# Altium PCB Shaheen.PcbDoc (part 3 of 4) (continued)
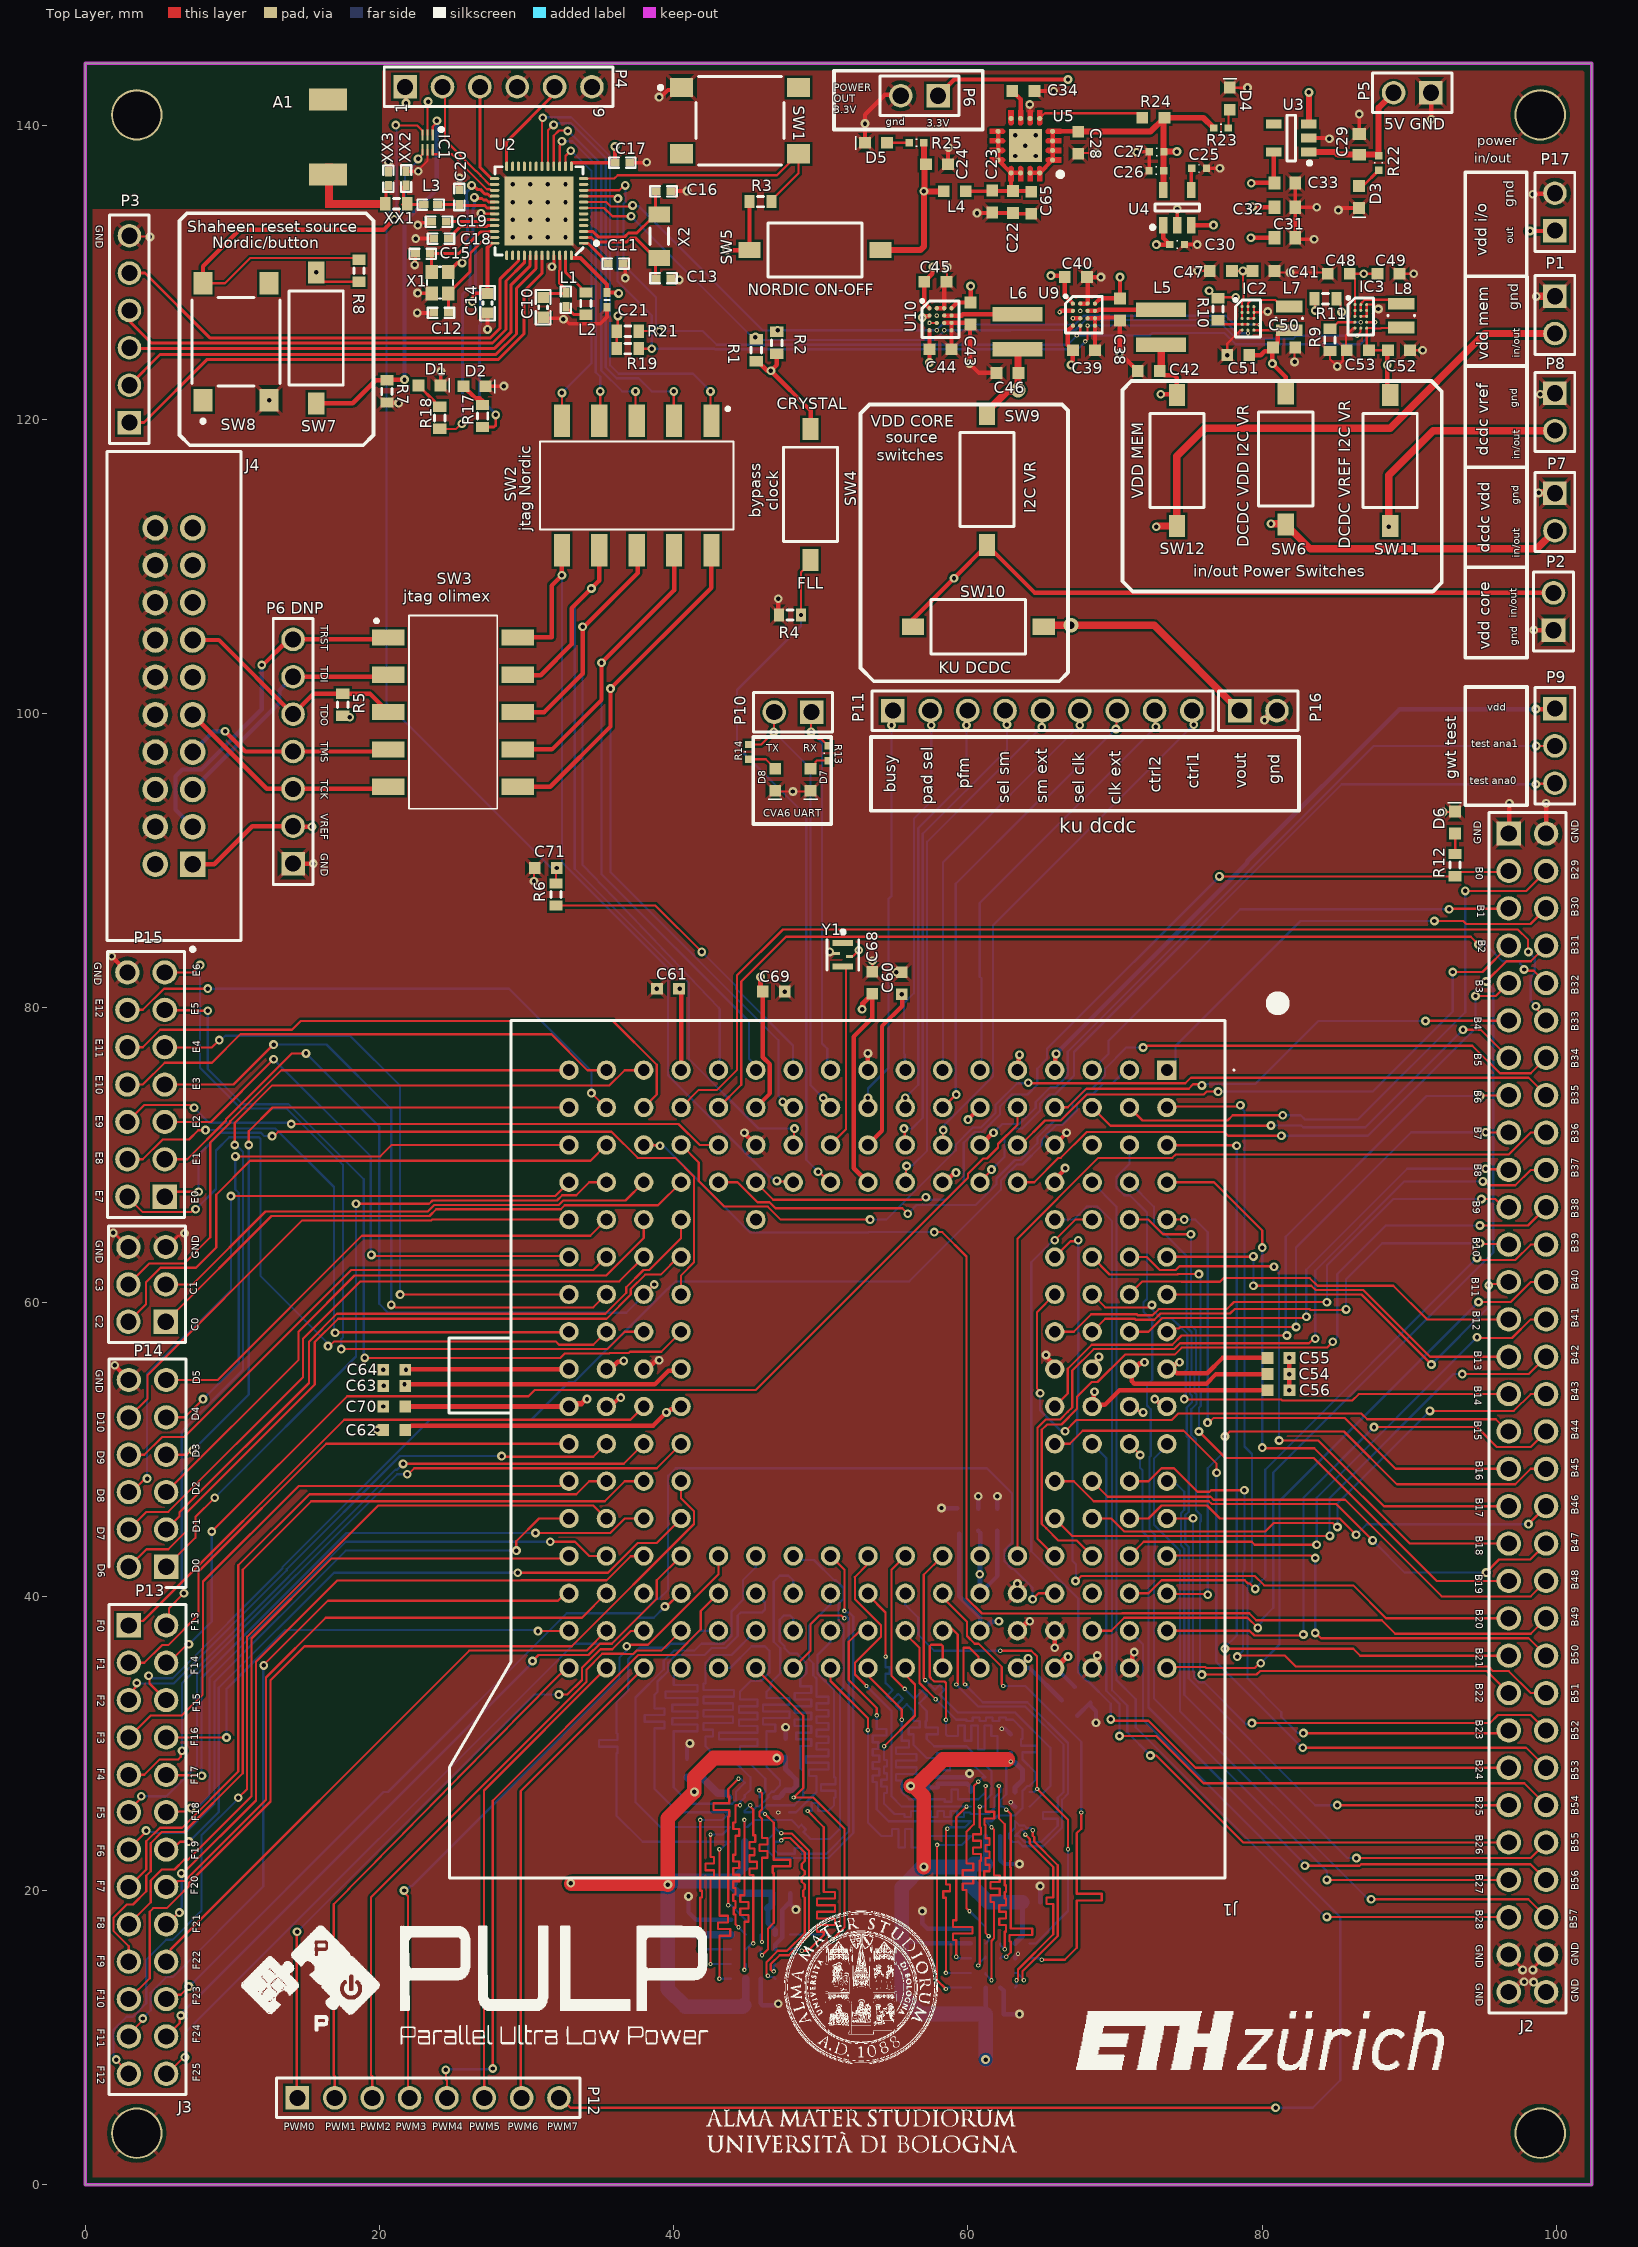
[diagram p0: Top Layer view]
## Nets (pads, with @x,y where several pads share a name; then routed paths per layer and width w, separated by ;. In a path a pad name is that pad's centre, name@x,y a point inside that pad or via, vN(x,y) a via of type N, cw(c..) or ccw(c..) an arc to the next point about the centre after c; other vN are vias at no path point) (continued)
NetSW2_4: SW2.4 U2.15 | length 22.3
  Top Layer w0.15: SW2.4@34.94,119.9 35,119.96 v1(35,121.9)
  Top Layer w0.152: U2.15@32.244,137.192 32.244,138.619 32.4,138.775 v1(32.4,138.896)
  Bottom Layer w0.15: v1(32.4,138.896) 33.107,138.896 34.7,137.303 34.7,123.2 35,122.9 v1(35,121.9)
NetSW2_5: SW2.5 U2.14 | length 21
  Top Layer w0.15: SW2.5@32.4,119.9 v1(32.4,121.8)
  Top Layer w0.152: U2.14@32.644,137.192 32.644,137.905 v1(33,138.261)
  Bottom Layer w0.15: v1(32.4,121.8) 34.4,123.8 34.4,136.896 33.035,138.261 v1(33,138.261)
P0.00/XL1: C13.1 U2.2 X2.1 | length 6.8
  Top Layer w0.203: U2.2@33.869,132.367 34.401,132.367 34.715,132.054 36.807,132.054 37.066,132.313 37.417,132.313 X2.1@38.54,131.19 ; C13.1@38.775,129.593 38.775,130.718 X2.1@39.023,130.965
P0.01/XL2: C16.1 U2.3 X2.2 | length 7
  Top Layer w0.203: U2.3@33.869,132.767 34.501,132.767 34.861,132.407 36.66,132.407 36.922,132.669 37.493,132.669 X2.2@38.515,133.69 ; C16.1@38.775,135.496 38.775,134.163 X2.2@39.023,133.915
P0.21/RESET: P4.5 U2.24 | length 6.8
  Top Layer w0.203: U2.24@28.644,137.192 28.644,138.876 31.9,142.132 P4.5@31.9,142.6
P0.25: U2.37
P0.26: U2.38
P0.27: P3.5 U2.39 | length 32.8
  Top Layer w0.203: P3.5@3,129.94 4.06,129.94 8.464,125.536 27.538,125.536 28.177,126.175 28.177,129.519 29.444,130.786 U2.39@29.444,131.142
P0.28/AIN4: P3.4 U2.40 | length 32.9
  Top Layer w0.203: P3.4@3,127.4 3,126.67 4.487,125.183 27.685,125.183 28.6,126.099 28.6,129.396 29.844,130.64 U2.40@29.844,131.142
P0.29/AIN5: P3.3 U2.41 | length 32.1
  Top Layer w0.203: P3.3@3,124.83 27.831,124.83 28.953,125.952 28.953,129.149 30.244,130.44 U2.41@30.244,131.142
P0.30/AIN6: P3.2 U2.42 | length 34.2
  Top Layer w0.203: P3.2@2.3,122.29 P3.2@2.665,122.655 ; P3.2@3,122.32 5.085,124.405 27.905,124.405 29.306,125.806 29.306,128.902 30.644,130.24 U2.42@30.644,131.142
P0.31/AIN7: P3.1 U2.43 | length 35.3
  Top Layer w0.203: P3.1@2.3,119.75 P3.1@2.409,119.859 ; P3.1@3,119.78 3.006,119.786 3.986,119.786 8.252,124.052 28.052,124.052 29.806,125.806 29.806,128.691 31.044,129.929 U2.43@31.044,131.142
PAD_GPIO_B0: J1.F4 J2.3 R12.1 | length 64
  Top Layer w0.15: J1.F4@45.58,68.14 46.763,66.957 56.848,66.957 57.016,67.125 v1(57.138,67.125) ; v1(77.092,88.929) 93.079,88.929 R12.1@93.1,88.95 93.375,89.225 96.685,89.225 J2.3@96.76,89.3
  Bottom Layer w0.15: v1(57.138,67.125) 57.26,67.125 57.428,66.957 58.497,66.957 59.713,68.172 59.713,70.822 60.454,71.563 60.988,71.563 62.167,72.742 62.167,73.276 62.994,74.103 64.045,74.103 64.71,74.768 64.71,75.862 65.375,76.526 65.375,77.212 v1(77.092,88.929)
PAD_GPIO_B1: J1.R1 J2.5 | length 33.4
  Top Layer w0.15: v1(92.7,86.7) 92.73,86.73 96.73,86.73 J2.5@96.76,86.76
  Bottom Layer w0.15: J1.R1@68.44,75.76 69.55,76.87 69.55,77.75 78.5,86.7 v1(92.7,86.7)
PAD_GPIO_B2: J1.N3 J2.7 | length 40.6
  Top Layer w0.15: J1.N3@63.36,70.68 63.58,70.68 65.237,72.337 66.308,72.337 68.074,74.103 76.02,74.103 76.217,74.3 v1(77,74.3) ; v1(92.95,82.431) 94.971,82.431 J2.7@96.76,84.22
  Bottom Layer w0.15: v1(77,74.3) 87.5,74.3 92.95,79.75 v1(92.95,82.431)
PAD_GPIO_B3: J1.N4 J2.9 | length 40.5
  Top Layer w0.15: J1.N4@63.36,68.14 64.5,68.14 66.157,69.797 66.308,69.797 68.074,71.563 77.415,71.563 77.678,71.3 v1(81.3,71.3) ; v1(94.5,80.8) 95.88,80.8 J2.9@96.76,81.68
  Bottom Layer w0.15: v1(81.3,71.3) 87.191,71.3 94.5,78.609 v1(94.5,80.8)
PAD_GPIO_B4: J1.P2 J2.11 | length 33.4
  Top Layer w0.15: J1.P2@65.9,73.22 65.916,73.236 66.783,73.236 68.047,74.5 75,74.5 75.3,74.8 75.825,74.8 v1(75.9,74.725) ; v1(91.1,79.1) 91.12,79.12 96.74,79.12 J2.11@96.76,79.14
  Bottom Layer w0.15: v1(75.9,74.725) 75.975,74.8 76.758,74.8 76.783,74.825 79.525,74.825 83.8,79.1 v1(91.1,79.1)
PAD_GPIO_B5: J1.R2 J2.13 | length 32.4
  Top Layer w0.15: J1.R2@68.44,73.22 69.685,71.975 77.863,71.975 77.873,71.985 80.585,71.985 v1(80.6,72) ; v1(93.65,78.501) 94.859,78.501 J2.13@96.76,76.6
  Bottom Layer w0.15: v1(80.6,72) 82.66,72 82.785,71.875 87.024,71.875 v1(93.65,78.501)
PAD_GPIO_B6: J1.P10 J2.15 | length 44.6
  Top Layer w0.15: J1.P10@65.9,52.9 66.783,53.783 66.783,55.465 68.415,57.097 73.886,57.097 74.514,57.725 v1(81.675,57.725) ; v1(94.8,74) 94.83,74.03 96.73,74.03 J2.15@96.76,74.06
  Bottom Layer w0.15: v1(81.675,57.725) 81.6,57.8 81.6,64.431 91.169,74 v1(94.8,74)
PAD_GPIO_B7: J1.T8 J2.17 | length 32
  Top Layer w0.15: J1.T8@73.52,57.98 73.743,58.203 74.334,58.203 74.432,58.301 82.299,58.301 v1(82.3,58.3) ; v1(95.185,71.537) 95.194,71.529 96.751,71.529 J2.17@96.76,71.52
  Bottom Layer w0.15: v1(82.3,58.3) 82.3,63.7 90.137,71.537 v1(95.185,71.537)
PAD_GPIO_B8: J1.S8 J2.19 | length 32.3
  Top Layer w0.15: J1.S8@70.98,57.98 72.271,57.98 73.207,58.916 82.916,58.916 v1(83,59) ; v1(95.185,69.061) 95.225,69.02 96.72,69.02 J2.19@96.76,68.98
  Bottom Layer w0.15: v1(83,59) 83,62.2 89.861,69.061 v1(95.185,69.061)
PAD_GPIO_B9: J1.P8 J2.21 | length 36.4
  Top Layer w0.15: J1.P8@65.9,57.98 67.191,57.98 68.374,59.163 71.47,59.163 71.533,59.1 72.543,59.1 72.958,59.516 77.598,59.516 78.082,60 84.386,60 v1(84.4,59.986) ; v1(94.9,67) 95.835,67 96.395,66.44 J2.21@96.76,66.44
  Bottom Layer w0.15: v1(84.4,59.986) 84.4,62.5 88.9,67 v1(94.9,67)
PAD_GPIO_B10: J1.R8 J2.23 | length 32.2
  Top Layer w0.15: J1.R8@68.44,57.98 69.323,58.863 71.346,58.863 71.409,58.8 72.667,58.8 73.083,59.216 77.816,59.216 78.125,59.525 83.217,59.525 83.281,59.461 85.661,59.461 v1(85.7,59.5) ; v1(94.8,64) 94.85,63.95 96.71,63.95 J2.23@96.76,63.9
  Bottom Layer w0.15: v1(85.7,59.5) 85.7,61.542 88.158,64 v1(94.8,64)
PAD_GPIO_B11: J1.T7 J2.25 | length 28.4
  Top Layer w0.15: J1.T7@73.52,60.52 73.532,60.508 78.293,60.508 78.297,60.511 86.744,60.511 v1(91.5,55.755) ; v1(95.401,61.13) 95.487,61.217 96.319,61.217 96.462,61.36 J2.25@96.76,61.36
  Bottom Layer w0.15: v1(91.5,55.755) 95.401,59.656 v1(95.401,61.13)
PAD_GPIO_B12: J1.S7 J2.27 | length 27.4
  Top Layer w0.15: J1.S7@70.98,60.52 71.863,61.403 74.48,61.403 74.508,61.375 77.125,61.375 77.375,61.625 83.241,61.625 83.754,61.111 88.909,61.111 91.2,58.82 J2.27@96.76,58.82
PAD_GPIO_B13: J1.T6 J2.29 | length 27.3
  Top Layer w0.15: J1.T6@73.52,63.06 73.54,63.08 79.38,63.08 v1(79.4,63.1) ; v1(79.4,61.1) 83.341,61.1 83.63,60.811 86.868,60.811 91.399,56.28 J2.29@96.76,56.28
  Bottom Layer w0.15: v1(79.4,61.1) v1(79.4,63.1)
PAD_GPIO_B14: J1.R7 J2.31 | length 35
  Top Layer w0.15: J1.R7@68.44,60.52 69.323,59.637 72.337,59.637 v1(72.5,59.8) ; v1(74.7,53.4) 74.725,53.375 81.298,53.375 81.373,53.3 86.124,53.3 86.564,53.74 J2.31@96.76,53.74
  Bottom Layer w0.15: v1@72.233,59.768 72.265,59.8 v1(72.5,59.8) 72.5,59.514 73.132,58.882 73.852,58.882 74.039,58.695 cw(c73.52,57.98) 74.235,58.499 74.9,57.833 74.9,55.424 74.8,55.324 74.8,53.613 74.7,53.513 v1(74.7,53.4)
PAD_GPIO_B15: J1.P7 J2.33 | length 41.9
  Top Layer w0.15: v1(64.9,53.8) 64.9,53.913 64.7,54.113 64.7,59.32 J1.P7@65.9,60.52 ; v1(66.603,51.217) 67.361,51.975 73.844,51.975 74.294,52.425 86.734,52.425 87.134,52.025 95.878,52.025 96.703,51.2 J2.33@96.76,51.2
  Bottom Layer w0.15: v1(64.9,53.8) 64.9,52.651 66.249,51.303 66.517,51.303 v1(66.603,51.217)
PAD_GPIO_B16: J1.T5 J2.35 | length 38.1
  Top Layer w0.15: J1.T5@73.52,65.6 v1(74.7,65.6) ; v1(76.279,51.806) 76.383,51.806 76.702,52.125 85.589,52.125 89.054,48.66 J2.35@96.76,48.66
  Bottom Layer w0.15: v1(74.7,65.6) 75.442,65.6 76.3,64.742 76.3,51.827 v1(76.279,51.806)
PAD_GPIO_B17: J1.S6 J2.37 | length 39.7
  Top Layer w0.15: J1.S6@70.98,63.06 72.149,63.06 73.032,62.177 74.125,62.177 74.373,62.425 80.775,62.425 v1(80.8,62.4) ; v1(81.15,50.59) 83.811,50.59 88.28,46.12 J2.37@96.76,46.12
  Bottom Layer w0.15: v1(80.8,62.4) 81.15,62.05 v1(81.15,50.59)
PAD_GPIO_B18: J1.T4 J2.39 | length 42.1
  Top Layer w0.15: J1.T4@73.52,68.14 76.724,68.14 80,64.864 v1(80,63.7) ; v1(80.003,50.103) 80.042,50.065 83.536,50.065 90.02,43.58 J2.39@96.76,43.58
  Bottom Layer w0.15: v1(80,63.7) 80.002,63.698 80.002,50.105 v1(80.003,50.103)
PAD_GPIO_B19: J1.R6 J2.41 | length 43.9
  Top Layer w0.15: J1.R6@68.44,63.06 69.623,61.877 74.25,61.877 74.273,61.9 v1(75.7,61.9) ; v1(75.7,51.2) 77.5,49.4 83.5,49.4 91.86,41.04 J2.41@96.76,41.04
  Bottom Layer w0.15: v1(75.7,51.2) 75.7,52.809 75.825,52.934 75.825,53.866 75.7,53.991 75.7,54.952 75.8,55.052 75.8,61.8 v1(75.7,61.9)
PAD_GPIO_B20: J1.P6 J2.43 | length 56.3
  Top Layer w0.15: J1.P6@65.9,63.06 66.975,64.135 67.435,64.135 v1(67.5,64.2) ; v1(67.307,41.036) 67.356,41.036 67.703,41.383 79.499,41.383 80.142,40.74 86.178,40.74 88.418,38.5 J2.43@96.76,38.5
  Bottom Layer w0.15: v1(67.307,41.036) 67.341,41.512 67.341,42.166 67.1,42.407 67.1,50.547 67.428,50.875 67.428,53.37 67.5,53.443 v1(67.5,64.2)
PAD_GPIO_B21: J1.T3 J2.45 | length 58.8
  Top Layer w0.15: J1.T3@73.52,70.68 73.548,70.652 78.234,70.652 v1(78.262,70.623) ; v1(77.46,36.425) 86.198,36.425 86.663,35.96 J2.45@96.76,35.96
  Bottom Layer w0.15: v1(77.46,36.425) 77.46,36.529 78.262,37.331 v1(78.262,70.623)
PAD_GPIO_B22: J1.S5 J2.47 | length 57.3
  Top Layer w0.15: J1.S5@70.98,65.6 72.271,65.6 73.261,64.611 v1(75.15,64.611) ; J2.47@96.76,33.42 95.255,34.925 79.857,34.925 79.607,34.675 v1(75.9,34.675) v1@75.835,34.675 ; v1@75.835,34.675 75.685,34.675 75.76,34.6 v1@75.835,34.675
  Bottom Layer w0.15: v1(75.15,64.611) 75.15,58.432 75.5,58.082 75.5,55.176 75.4,55.076 75.4,53.867 75.525,53.742 75.525,53.058 75.175,52.708 75.175,50.983 75.5,50.658 75.5,45.842 75.825,45.517 75.825,45.082 75.775,45.032 75.775,34.725 75.825,34.675 v1(75.9,34.675)
PAD_GPIO_B23: J1.T2 J2.49 | length 64
  Top Layer w0.15: J1.T2@73.52,73.22 73.597,73.297 78.443,73.297 v1(78.52,73.374) ; v1@82.8,30.686 96.566,30.686 J2.49@96.76,30.88
  Bottom Layer w0.15: v1(78.52,73.374) 78.52,73.253 78.8,72.973 78.8,61.627 78.8,50.175 79.312,49.663 79.312,41.03 79,40.717 79,34.424 81.3,32.124 81.3,31.808 82.408,30.7 v1(82.8,30.7)
PAD_GPIO_B24: J1.R5 J2.51 | length 67.1
  Top Layer w0.15: v1(65.9,64.2) 67.3,65.6 J1.R5@68.44,65.6 ; v1(69.7,31.63) 69.8,31.53 72.27,31.53 75.46,28.34 J2.51@96.76,28.34
  Bottom Layer w0.15: v1(65.9,64.2) 65.791,64.2 64.3,62.709 64.3,43.049 67.5,39.849 67.5,34.811 68.074,34.237 68.163,34.237 69.7,32.7 v1(69.7,31.63)
PAD_GPIO_B25: J1.S4 J2.53 | length 61.4
  Top Layer w0.15: v1(85.1,25.8) J2.53@96.76,25.8
  Bottom Layer w0.15: J1.S4@70.98,68.14 72.637,66.483 72.637,65.234 73.154,64.717 73.283,64.717 74.85,63.15 74.85,58.308 75.2,57.958 75.2,55.3 75.1,55.2 75.1,53.742 75.225,53.617 75.225,53.183 74.875,52.833 74.875,50.858 75.003,50.73 75.003,45.746 74.775,45.517 74.775,43.583 75.003,43.354 75.003,34.405 83.608,25.8 v1(85.1,25.8)
PAD_GPIO_B26: J1.P5 J2.55 | length 68.9
  Top Layer w0.15: v1(72.4,29.175) 72.801,29.175 78.716,23.26 J2.55@96.76,23.26
  Bottom Layer w0.15: J1.P5@65.9,65.6 67.191,65.6 68.074,66.483 68.806,66.483 69.797,65.492 69.797,33.603 70.825,32.575 70.825,30.75 v1(72.4,29.175)
PAD_GPIO_B27: J1.S3 J2.57 | length 69.4
  Top Layer w0.15: v1(84.4,20.72) J2.57@96.76,20.72
  Bottom Layer w0.15: J1.S3@70.98,70.68 70.98,69.389 70.097,68.506 70.097,67.774 70.614,67.257 70.996,67.257 72.163,66.09 72.163,60.206 71.933,59.975 71.933,59.339 72.525,58.746 72.525,54.718 72.175,54.367 72.175,52.968 72.425,52.717 72.425,49.549 72.337,49.461 72.337,44.563 72.7,44.2 72.7,43.169 72.637,43.106 72.637,33.063 84.4,21.3 v1(84.4,20.72)
PAD_GPIO_B28: J1.R4 J2.59 | length 69
  Top Layer w0.15: v1(84.4,18.2) 84.6,18.2 96.74,18.2 J2.59@96.76,18.18
  Bottom Layer w0.15: J1.R4@68.44,68.14 70.097,66.483 70.097,34.303 71.4,33 71.4,31.1 84.32,18.18 84.34,18.2 v1(84.4,18.2)
PAD_GPIO_B29: J1.S2 J2.4 | length 40.8
  Top Layer w0.15: J1.S2@70.98,73.22 71.863,72.337 77.637,72.337 78,72.7 v1(81.4,72.7) ; v1(93.8,87.945) 97.945,87.945 J2.4@99.3,89.3
  Bottom Layer w0.15: v1(81.4,72.7) 82.611,72.7 82.911,72.4 86.5,72.4 93.8,79.7 v1(93.8,87.945)
PAD_GPIO_B30: J1.T1 J2.6 | length 31.1
  Top Layer w0.15: v1(91.7,85.9) 93.672,85.9 93.872,85.7 98.24,85.7 J2.6@99.3,86.76
  Bottom Layer w0.15: J1.T1@73.52,75.76 74.103,76.343 74.103,77.403 82.6,85.9 v1(91.7,85.9)
PAD_GPIO_B31: J1.R16 J2.8 | length 67.8
  Top Layer w0.15: J1.R16@68.44,37.66 69.731,37.66 70.614,38.543 79.001,38.543 v1(79.694,37.85) ; v1(95.215,81.786) 96.599,83.17 98.25,83.17 J2.8@99.3,84.22
  Bottom Layer w0.15: v1(79.694,37.85) 79.694,37.972 79.967,38.244 79.967,38.426 80.75,39.209 80.75,48.408 95.71,63.368 95.71,81.291 v1(95.215,81.786)
PAD_GPIO_B32: J1.E2 J2.10 | length 66.6
  Top Layer w0.15: J1.E2@43.04,73.22 44.59,74.77 44.59,81.79 47.625,84.825 94.175,84.825 v1(94.7,84.3) ; v1(97.8,82.6) 97.882,82.518 98.462,82.518 J2.10@99.3,81.68
  Bottom Layer w0.15: v1(94.7,84.3) 94.73,84.27 95.225,84.27 96.325,83.17 97.43,83.17 97.536,83.064 97.536,82.986 97.8,82.722 v1(97.8,82.6)
PAD_GPIO_B33: J1.D2 J2.12 | length 72.9
  Top Layer w0.15: J1.D2@40.5,73.22 41.699,74.419 42.947,74.419 44.29,75.761 44.29,82.19 47.426,85.326 97.375,85.326 98.076,84.624 98.076,83.819 v1(98.097,83.799) ; v1(98.6,80.1) 98.6,79.978 99.3,79.278 J2.12@99.3,79.14
  Bottom Layer w0.15: v1(98.097,83.799) 98.521,83.374 98.521,82.386 98.25,82.115 98.25,80.492 98.6,80.142 v1(98.6,80.1)
PAD_GPIO_B34: J1.E4 J2.14 | length 64
  Top Layer w0.15: J1.E4@43.04,68.14 44.331,68.14 45.688,66.783 46.513,66.783 46.921,66.375 55.525,66.375 v1(55.9,66) ; v1(71.9,77.3) 71.986,77.386 72.174,77.386 72.213,77.425 94.286,77.425 96.161,75.55 98.25,75.55 J2.14@99.3,76.6
  Bottom Layer w0.15: v1(55.9,66) 56.5,66.6 60.529,66.6 61.936,68.008 61.936,68.389 63.195,69.648 63.577,69.648 64.717,70.788 64.717,71.17 65.884,72.337 66.266,72.337 67.108,73.179 67.108,73.561 68.025,74.478 68.406,74.478 69.323,75.394 69.323,75.865 70.758,77.3 v1(71.9,77.3)
PAD_GPIO_B35: J1.D3 J2.16 | length 66.7
  Top Layer w0.15: J1.D3@40.5,70.68 41.699,69.481 41.699,68.233 43.448,66.483 46.389,66.483 47.272,65.6 v1(53.348,65.6) ; v1(64.1,74.9) 64.123,74.877 74.777,74.877 75.15,75.25 98.11,75.25 J2.16@99.3,74.06
  Bottom Layer w0.15: v1(53.348,65.6) 54.449,65.6 59.163,70.314 59.163,70.696 60.33,71.863 60.863,71.863 61.867,72.866 61.867,73.4 63.344,74.877 64.077,74.877 v1(64.1,74.9)
PAD_GPIO_B36: J1.N14 J2.18 | length 60.5
  Top Layer w0.15: J1.N14@63.36,42.74 63.36,64.309 68.848,69.797 73.886,69.797 74.119,70.03 96.755,70.03 98.245,71.52 J2.18@99.3,71.52
PAD_GPIO_B37: J1.P14 J2.20 | length 55.4
  Top Layer w0.15: J1.P14@65.9,42.74 64.717,43.923 64.717,51.441 65.293,52.017 66.266,52.017 66.783,52.534 67.083,52.834 67.083,55.341 68.539,56.797 74.01,56.797 74.413,57.2 83.178,57.2 83.478,57.5 v1(83.6,57.5) ; v1(95,68.2) 95.122,68.2 95.392,67.93 97.195,67.93 98.245,68.98 J2.20@99.3,68.98
  Bottom Layer w0.15: v1(83.6,57.5) 83.6,59.999 83.601,60 83.601,62.126 89.676,68.2 v1(95,68.2)
PAD_GPIO_B38: J1.R14 J2.22 | length 54.3
  Top Layer w0.15: J1.R14@68.44,42.74 67.39,43.79 66.144,43.79 65.318,44.616 65.316,44.616 65.017,44.914 65.017,51.312 65.381,51.677 66.35,51.677 67.402,52.729 67.402,53.545 68.415,54.557 68.806,54.557 70.674,56.425 74.062,56.425 74.537,56.9 84.4,56.9 v1(84.8,57.3) ; v1(94.8,65.2) 98.06,65.2 J2.22@99.3,66.44
  Bottom Layer w0.15: v1(84.8,57.3) 84.8,57.313 85.1,57.613 85.1,61.9 88.4,65.2 v1(94.8,65.2)
PAD_GPIO_B39: J1.S15 J2.24 | length 43.1
  Top Layer w0.15: J1.S15@70.98,40.2 72.271,40.2 73.154,41.083 78.817,41.083 79.038,40.862 79.144,40.862 79.506,40.5 v1(79.525,40.5) ; v1(94.6,63) 94.722,63 94.872,62.85 97.195,62.85 98.245,63.9 J2.24@99.3,63.9
  Bottom Layer w0.15: v1(79.525,40.5) 79.525,40.519 79.887,40.881 79.887,40.987 80.2,41.3 80.2,48.6 v1(94.6,63)
PAD_GPIO_B40: J1.T17 J2.26 | length 42.4
  Top Layer w0.15: J1.T17@73.52,35.12 73.6,35.2 76.117,35.2 76.192,35.125 79.483,35.125 79.808,35.45 v1(79.9,35.45) ; v1(94.7,60) 96.885,60 98.245,61.36 J2.26@99.3,61.36
  Bottom Layer w0.15: v1(79.9,35.45) 81.175,36.725 81.175,46.475 v1(94.7,60)
PAD_GPIO_B41: J1.S14 J2.28 | length 37.1
  Top Layer w0.15: J1.S14@70.98,42.74 71.94,43.7 79.287,43.7 79.487,43.5 v1(83.7,43.5) ; v1(94.6,57.6) 94.65,57.55 96.975,57.55 98.245,58.82 J2.28@99.3,58.82
  Bottom Layer w0.15: v1(83.7,43.5) 83.7,46.7 v1(94.6,57.6)
PAD_GPIO_B42: J1.P13 J2.30 | length 40.5
  Top Layer w0.15: J1.P13@65.9,45.28 67.083,44.097 84.597,44.097 v1(84.6,44.1) ; v1(93.6,55.1) 98.12,55.1 J2.30@99.3,56.28
  Bottom Layer w0.15: v1(84.6,44.1) 84.583,44.117 84.583,46.683 93,55.1 v1(93.6,55.1)
PAD_GPIO_B43: J1.R13 J2.32 | length 36.3
  Top Layer w0.15: J1.R13@68.44,45.28 69.731,45.28 70.614,44.397 80.197,44.397 80.779,44.979 84.795,44.979 85.066,44.708 v1(85.108,44.708) ; v1(91.4,52.6) 97.105,52.6 98.245,53.74 J2.32@99.3,53.74
  Bottom Layer w0.15: v1(85.108,44.708) 85.108,46.308 v1(91.4,52.6)
PAD_GPIO_B44: J1.T16 J2.34 | length 38.2
  Top Layer w0.15: J1.T16@73.52,37.66 79.142,37.66 79.477,37.325 82.725,37.325 v1(82.8,37.4) ; v1(87.6,51.5) 94.6,51.5 95.95,50.15 98.25,50.15 J2.34@99.3,51.2
  Bottom Layer w0.15: v1(82.8,37.4) 82.8,46.7 v1(87.6,51.5)
PAD_GPIO_B45: J1.T15 J2.36 | length 38
  Top Layer w0.15: J1.T15@73.52,40.2 73.57,40.15 76.25,40.15 v1(76.3,40.1) ; v1(77.46,50.859) 77.802,51.2 85.563,51.2 89.153,47.61 97.195,47.61 98.245,48.66 J2.36@99.3,48.66
  Bottom Layer w0.15: v1(76.3,40.1) 76.3,48.699 77.46,49.859 v1(77.46,50.859)
PAD_GPIO_B46: J1.S13 J2.38 | length 30.3
  Top Layer w0.15: J1.S13@70.98,45.28 72.271,45.28 73.154,46.163 76.246,46.163 77.13,45.279 85.279,45.279 v1(86.379,44.179) ; v1(98.1,44.9) 98.1,44.91 99.3,46.11 J2.38@99.3,46.12
  Bottom Layer w0.15: v1(86.379,44.179) 87.1,44.9 v1(98.1,44.9)
PAD_GPIO_B47: J1.P12 J2.40 | length 36.8
  Top Layer w0.15: J1.P12@65.9,47.82 67.191,47.82 68.548,46.463 76.37,46.463 76.569,46.264 85.036,46.264 v1(87.5,43.8) ; v1(95.215,41.605) 96.102,42.492 98.212,42.492 J2.40@99.3,43.58
  Bottom Layer w0.15: v1(87.5,43.8) 89.695,41.605 v1(95.215,41.605)
PAD_GPIO_B48: J1.R12 J2.42 | length 34.5
  Top Layer w0.15: J1.R12@68.44,47.82 69.497,46.763 76.495,46.763 76.694,46.564 85.636,46.564 92.21,39.99 98.25,39.99 J2.42@99.3,41.04
PAD_GPIO_B49: J1.C3 J2.44 | length 89.2
  Top Layer w0.15: J1.C3@37.96,70.68 37.988,70.652 39.038,70.652 v1(39.066,70.623) ; v1(57.711,64.75) 58.25,64.75 59.9,63.1 59.9,39.871 60.946,38.825 70.472,38.825 70.49,38.843 79.125,38.843 79.593,38.375 88.119,38.375 89.044,37.45 98.25,37.45 J2.44@99.3,38.5
  Bottom Layer w0.15: v1(39.066,70.623) 39.152,70.537 39.394,70.537 45.214,64.717 53.208,64.717 53.241,64.75 v1(57.711,64.75)
PAD_GPIO_B50: J1.T14 J2.46 | length 31.6
  Top Layer w0.15: J1.T14@73.52,42.74 73.55,42.77 83.308,42.77 83.478,42.6 v1(83.6,42.6) ; v1(83.6,37.5) 83.642,37.5 83.992,37.15 98.11,37.15 J2.46@99.3,35.96
  Bottom Layer w0.15: v1(83.6,37.5) v1(83.6,42.6)
PAD_GPIO_B51: J1.S12 J2.48 | length 42.5
  Top Layer w0.15: J1.S12@70.98,47.82 72.271,47.82 73.154,48.703 73.997,48.703 75.6,47.1 76.426,47.1 76.526,47.2 v1(78.787,47.2) ; v1(78.3,35.9) 78.375,35.975 81.525,35.975 82.275,35.225 95.379,35.225 95.694,34.91 96.755,34.91 98.245,33.42 J2.48@99.3,33.42
  Bottom Layer w0.15: v1(78.3,35.9) 78.7,36.3 78.7,41.706 78.787,41.794 v1(78.787,47.2)
PAD_GPIO_B52: J1.T13 J2.50 | length 38.6
  Top Layer w0.15: J1.T13@73.52,45.28 73.53,45.29 75.29,45.29 v1(75.3,45.3) ; v1(79.3,31.375) 95.475,31.375 96.03,31.93 98.25,31.93 J2.50@99.3,30.88
  Bottom Layer w0.15: v1(75.3,45.3) 75.303,45.297 75.303,34.9 75.375,34.828 75.375,34.458 75.683,34.15 76.053,34.15 78.9,31.303 79.228,31.303 v1(79.3,31.375)
PAD_GPIO_B53: J1.P11 J2.52 | length 51.2
  Top Layer w0.15: J1.P11@65.9,50.36 66.913,50.36 67.796,51.243 74.657,51.243 76.9,49 v1(76.9,48.4) ; v1(82.75,29.7) 97.94,29.7 J2.52@99.3,28.34
  Bottom Layer w0.15: v1(76.9,48.4) 76.875,48.375 76.875,35.525 82.7,29.7 v1(82.75,29.7)
PAD_GPIO_B54: J1.R11 J2.54 | length 51.6
  Top Layer w0.15: v1(70.3,30.5) 72.8,30.5 76.01,27.29 97.81,27.29 J2.54@99.3,25.8
  Bottom Layer w0.15: J1.R11@68.44,50.36 69.4,49.4 69.4,33.576 70.3,32.676 v1(70.3,30.5)
PAD_GPIO_B55: J1.T12 J2.56 | length 45.1
  Top Layer w0.15: v1@86.4,22.21 98.25,22.21 J2.56@99.3,23.26
  Bottom Layer w0.15: J1.T12@73.52,47.82 73.98,47.82 74.703,47.097 74.703,45.87 74.475,45.642 74.475,43.458 74.703,43.23 74.703,33.297 85.8,22.2 v1(86.4,22.2)
PAD_GPIO_B56: J1.S11 J2.58 | length 50.5
  Top Layer w0.15: J1.S11@70.98,50.36 70.98,50.34 71.7,49.62 v1(71.7,49.6) ; v1(82.9,21.675) 86.617,21.675 86.726,21.784 98.236,21.784 J2.58@99.3,20.72
  Bottom Layer w0.15: v1(71.7,49.6) 71.7,48.729 71.863,48.566 71.863,45.279 71.864,44.4 72.264,44 72.264,32.436 82.9,21.8 v1(82.9,21.675)
PAD_GPIO_B57: J1.T11 J2.60 | length 50
  Top Layer w0.15: v1(87.4,19.4) 98.08,19.4 J2.60@99.3,18.18
  Bottom Layer w0.15: J1.T11@73.52,50.36 73.52,50.22 72.637,49.337 72.637,44.872 74.403,43.106 74.403,32.197 87.2,19.4 v1(87.4,19.4)
PAD_GPIO_C0: J1.D4 P14.1 | length 39
  Top Layer w0.15: P14.1@5.47,58.66 12.66,65.85 23.396,65.85 23.846,66.3 32.313,66.3 32.588,66.575 38.935,66.575 J1.D4@40.5,68.14
PAD_GPIO_C1: J1.C4 P14.3 | length 35.4
  Top Layer w0.15: P14.3@5.47,61.2 7.3,61.2 12.25,66.15 23.272,66.15 23.722,66.6 32.189,66.6 32.489,66.9 36.72,66.9 J1.C4@37.96,68.14
PAD_GPIO_C2: J1.B3 P14.2 | length 40.4
  Top Layer w0.15: P14.2@2.93,58.66 4.126,59.856 4.126,61.341 5.108,62.323 7.523,62.323 8.9,63.7 8.9,67.3 11.2,69.6 34.34,69.6 J1.B3@35.42,70.68
PAD_GPIO_C3: J1.A1 P14.4 | length 39.8
  Top Layer w0.15: P14.4@2.93,61.2 4.353,62.623 6.723,62.623 8.5,64.4 8.5,70.848 9.86,72.208 9.86,72.292 13.328,75.76 J1.A1@32.88,75.76
PAD_GPIO_D0: J1.B4 J3.1 | length 47.6
  Top Layer w0.15: J3.1@5.5,42 7.482,43.982 7.482,45.382 v1(8.8,46.7) ; v1(18.4,66.675) 23.373,66.675 23.598,66.9 32.064,66.9 32.421,67.257 33.368,67.257 34.251,68.14 J1.B4@35.42,68.14
  Bottom Layer w0.15: v1(8.8,46.7) 18.4,56.3 v1(18.4,66.675)
PAD_GPIO_D1: J1.D5 J3.3 | length 46.5
  Top Layer w0.15: J3.3@5.5,44.54 6.4,45.44 6.4,45.7 15.2,54.5 15.2,57.3 17.1,59.2 35.349,59.2 36.777,60.628 36.777,61.01 37.944,62.177 38.326,62.177 40.5,64.351 J1.D5@40.5,65.6
PAD_GPIO_D2: J1.C5 J3.5 | length 42
  Top Layer w0.15: J3.5@5.5,47.08 14.5,56.08 14.5,58 18.3,61.8 35.409,61.8 37.96,64.351 J1.C5@37.96,65.6
PAD_GPIO_D3: J1.A2 J3.7 | length 47.6
  Top Layer w0.15: J3.7@5.5,49.62 6.898,49.62 7.178,49.9 v1(7.3,49.9) ; v1(11.109,70.675) 11.109,71.609 12.72,73.22 J1.A2@32.88,73.22
  Bottom Layer w0.15: v1(7.3,49.9) 11.109,53.709 v1(11.109,70.675)
PAD_GPIO_D4: J1.A3 J3.9 | length 43.6
  Top Layer w0.15: J3.9@5.5,52.16 6.76,52.16 v1(8,53.4) ; v1(10.2,69.9) 20.046,69.9 20.826,70.68 J1.A3@32.88,70.68
  Bottom Layer w0.15: v1(8,53.4) 10.425,55.825 10.425,67.417 10.2,67.642 v1(10.2,69.9)
PAD_GPIO_D5: J1.B5 J3.11 | length 34.4
  Top Layer w0.15: J3.11@5.5,54.7 9,54.7 18.8,64.5 34.32,64.5 J1.B5@35.42,65.6
PAD_GPIO_D6: J1.D6 J3.2 | length 48.9
  Top Layer w0.15: J3.2@2.96,42 4.156,43.196 5.641,43.196 6.862,44.417 6.862,45.662 15.6,54.4 15.6,57.276 17.187,58.863 35.436,58.863 37.077,60.504 37.077,60.886 38.053,61.861 39.108,61.861 40.306,63.06 J1.D6@40.5,63.06
PAD_GPIO_D7: J1.C6 J3.4 | length 44.2
  Top Layer w0.15: J3.4@2.96,44.54 4.156,45.736 5.641,45.736 14.8,54.895 14.8,57.5 18.703,61.403 36.303,61.403 J1.C6@37.96,63.06
PAD_GPIO_D8: J1.A4 J3.6 | length 46.6
  Top Layer w0.15: J3.6@2.96,47.08 3.158,47.08 4.078,48 v1(4.2,48) ; v1(9.9,67.2) 31.94,67.2 J1.A4@32.88,68.14
  Bottom Layer w0.15: v1(4.2,48) 4.2,55.1 9.9,60.8 v1(9.9,67.2)
PAD_GPIO_D9: J1.B6 J3.8 | length 38
  Top Layer w0.15: J3.8@2.96,49.62 4.015,49.62 5.211,50.816 6.716,50.816 18.077,62.177 34.537,62.177 J1.B6@35.42,63.06
PAD_GPIO_D10: J1.A5 J3.10 | length 36.4
  Top Layer w0.15: J3.10@2.96,52.16 4.229,53.429 4.229,55.029 14.75,65.55 23.521,65.55 23.571,65.6 J1.A5@32.88,65.6
PAD_GPIO_E0: J1.D7 P15.1 | length 49.1
  Top Layer w0.15: P15.1@5.4,67.16 5.74,67.5 v1(7.7,67.5) ; v1(12.7,71.275) 12.822,71.275 13.122,71.575 35.774,71.575 37.552,69.797 40.092,69.797 41.383,68.506 41.383,62.694 40.5,61.811 J1.D7@40.5,60.52
  Bottom Layer w0.15: v1(7.7,67.5) 7.7,70 9.2,71.5 11.936,71.5 12.161,71.275 v1(12.7,71.275)
PAD_GPIO_E1: J1.C7 P15.3 | length 52.5
  Top Layer w0.15: P15.3@5.4,69.7 6.927,69.7 9.56,72.332 9.56,72.416 14.044,76.9 v1(15,76.9) ; J1.C7@37.96,60.52 37.981,60.52 38.654,61.193 v1(38.675,61.193)
  Bottom Layer w0.15: v1(15,76.9) 19.975,71.925 19.975,59.883 20.583,59.275 36.775,59.275 37.99,60.49 37.99,60.529 38.654,61.193 v1(38.675,61.193)
PAD_GPIO_E2: J1.A6 P15.5 | length 38.7
  Top Layer w0.15: P15.5@5.4,72.24 8.54,72.24 v1(12.8,76.5) ; v1(19.45,63.2) 19.52,63.13 32.81,63.13 J1.A6@32.88,63.06
  Bottom Layer w0.15: v1(12.8,76.5) 19.4,69.9 19.4,63.25 v1(19.45,63.2)